# Altium PCB Farm_Pump.PcbDoc (continued)
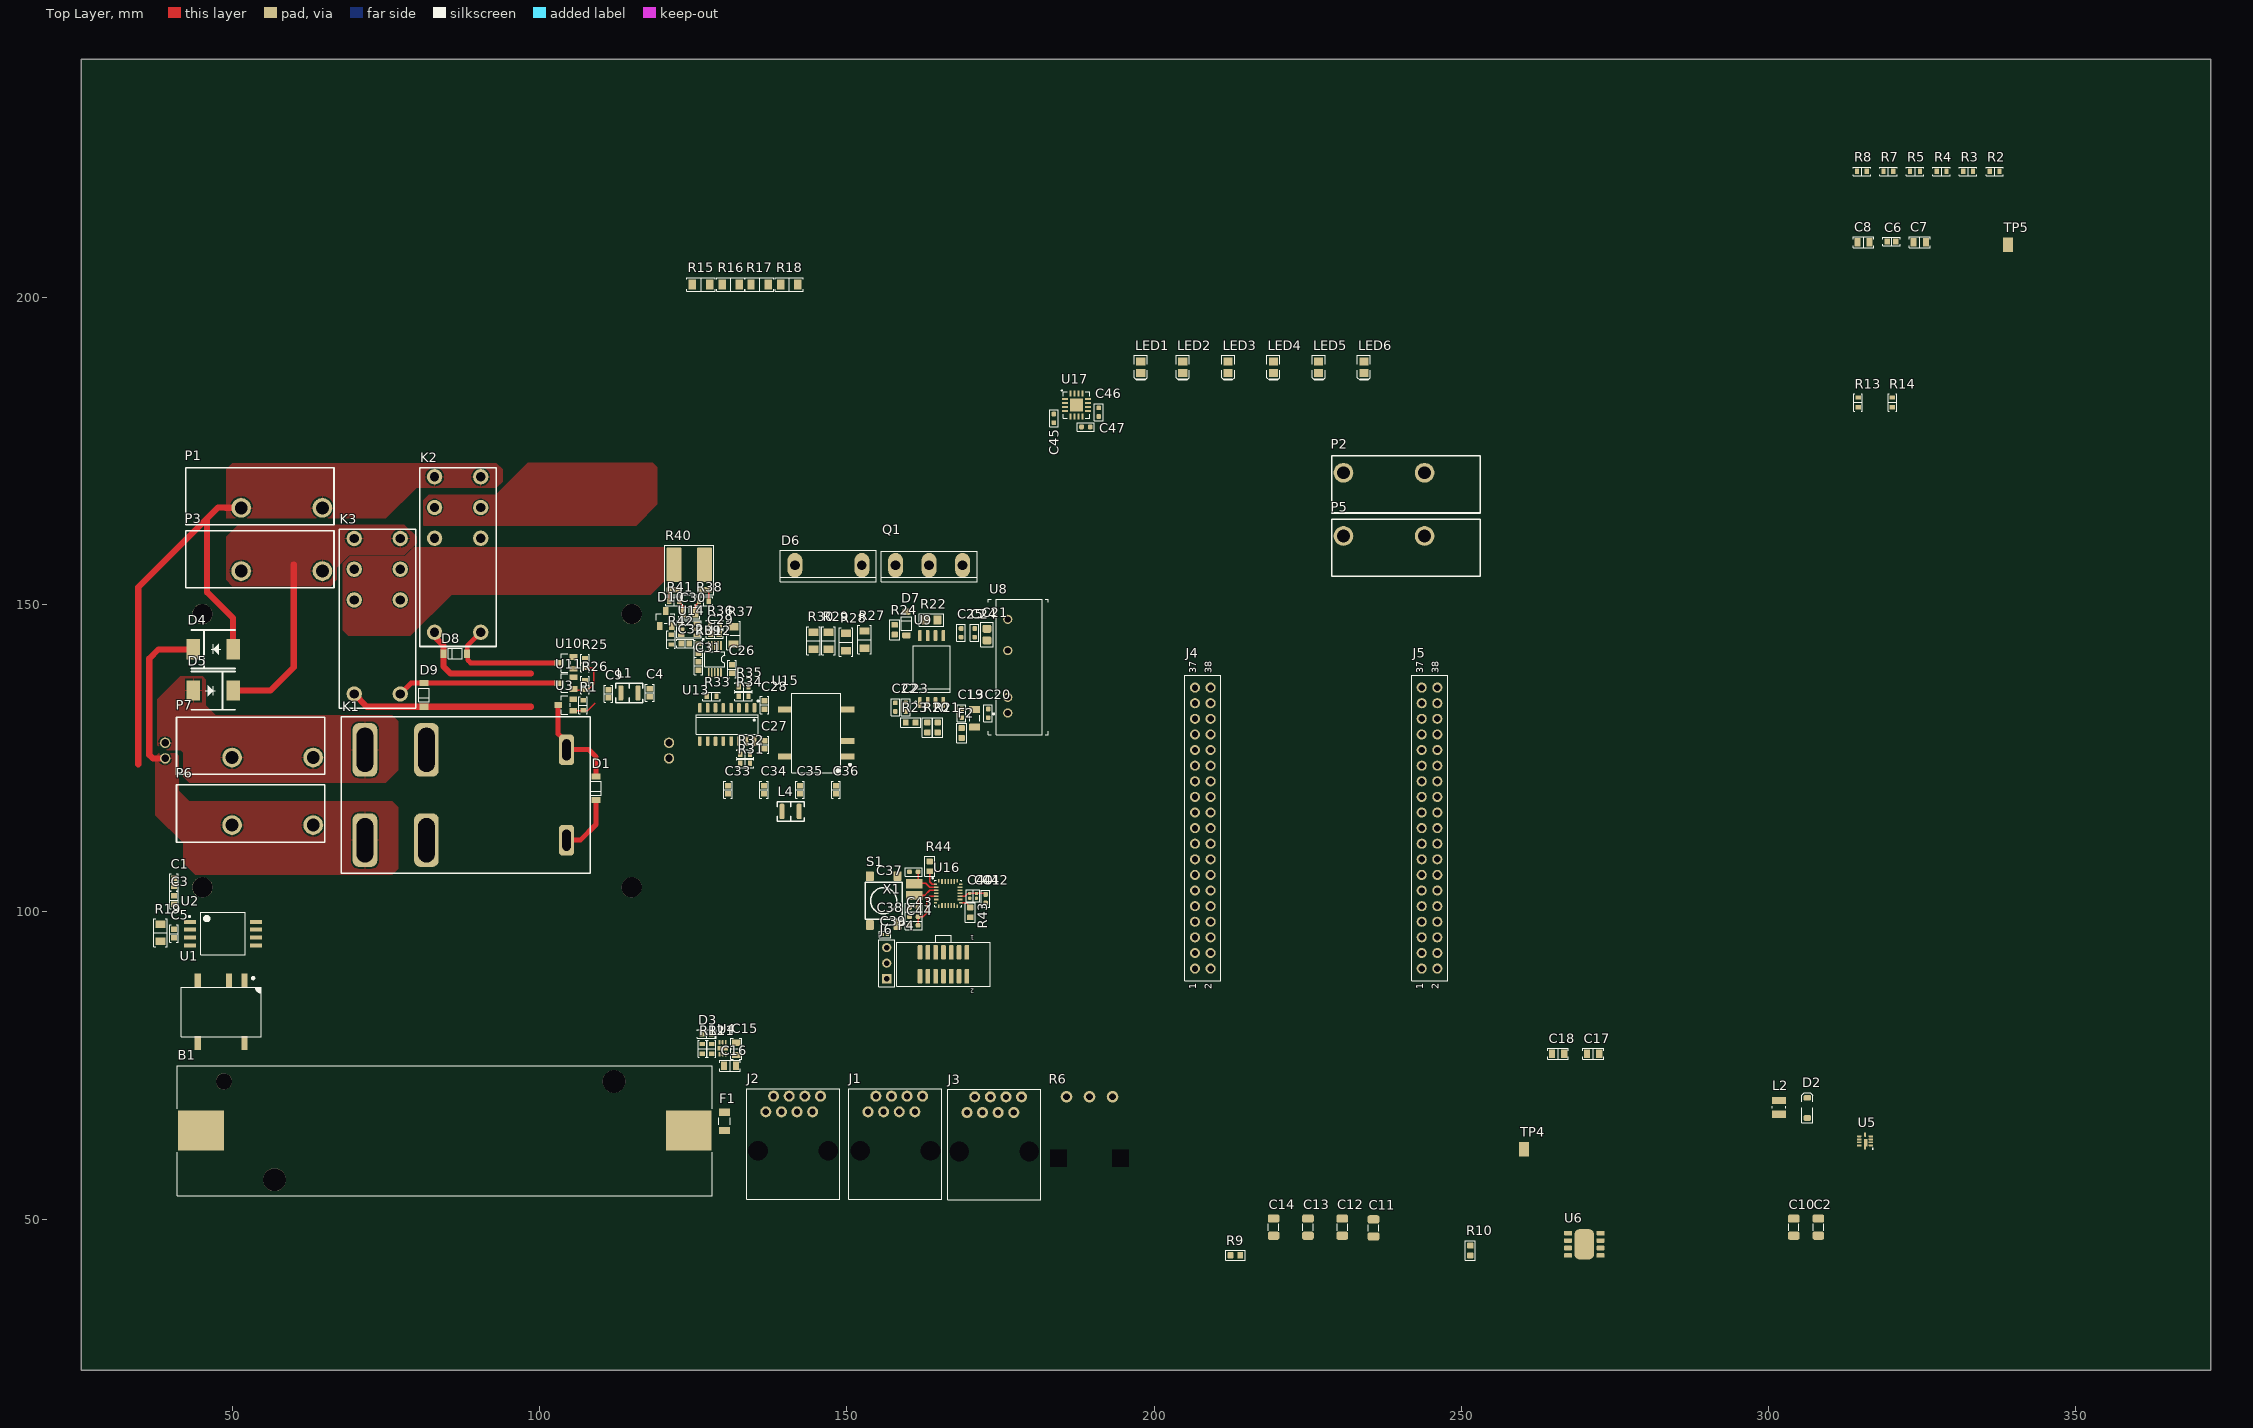
[diagram p0: Top Layer view]
## Components (designator, comment, footprint, x,y, rotation, side; value= is the part's Value field where it differs from the comment) (continued)
R21 "100 Ohms" 0603R 164.8,130 r90 top
R22 "4R7" 0805R 163.8,147.5 r270 top
R23 "1 kOhms" 0603R 160.4,130.8 r0 top
R24 "3K3" 0603R 157.8,145.9 r90 top
R25 "10K" "RES 0603/1608" 107.4,140.5 r270 top
R26 "10K" "RES 0603/1608" 107.4,136.9 r270 top
R27 "200K" "RES 1206/3216" 152.9,144.3 r90 top
R28 "200K" "RES 1206/3216" 149.9,143.9 r90 top
R29 "200K" "RES 1206/3216" 147.025,144.096 r270 top
R30 "200K" "RES 1206/3216" 144.612,144.096 r90 top
R31 "10K" "RES 0603/1608" 133.464,124.137 r0 top
R32 "10K" "RES 0603/1608" 133.464,125.661 r0 top
R33 "10K" "RES 0603/1608" 128.003,135.059 r180 top
R34 "10K" "RES 0603/1608" 133.21,135.059 r0 top
R35 "10K" "RES 0603/1608" 133.21,136.583 r0 top
R36 "20R" "RES 0603/1608" 128.537,146.743 r180 top
R37 "2K74" "RES 1206/3216" 131.585,144.965 r90 top
R38 "5R1" "RES 0603/1608" 126.759,150.526 r0 top
R39 "20R" "RES 0603/1608" 125.87,142.806 r270 top
R40 "WSL2726L5000FEB" WSL2726L5000FEB 124.346,155.606 r270 top
R41 "5R1" "RES 0603/1608" 121.933,150.526 r180 top
R42 "10K" "RES 0603/1608" 121.425,144.303 r270 top
R43 "10k" 0603R 170.1,99.9 r270 top
R44 "10k" 0603R 163.5,107.4 r270 top
S1 "SMT" PTS645SM43SMTR92 156,101.8 r0 top
TP4 "Test Point" RCT-0C 260.223,61.341 r90 top
TP5 "Test Point" RCT-0C 338.943,208.541 r90 top
U1 "ISE0505A" "XP ISE 8-SMD" 48.2,83.7 r270 top
U2 "ACPL-C87B" "Broadcom SSO-8" 48.497,96.452 r0 top
U3 "SZNUD3112LT1G" SZNUD3112LT1G 104.268,133.652 r90 top
U4 "SC810ULTRT" SC810ULTRT 129.8,77.8 r180 top
U5 "MCP1665T-E/MRA" MCP1665T-EMRA 315.7,62.687 r180 top
U6 "BD33HC0WEFJ-E2" BD33HC0WEFJ 270.002,45.893 r180 top
U7 "EPS-25-12" EPS-25-12 80.075,126.225 r0 bottom locked
U8 "TMV 1215EN" TMVXXXXEN 176.2,138.7 r90 top
U9 "UCC5310MCDWVR" UCC-SOIC-8W 163.8,139.5 r90 top
U10 "SZNUD3112LT1G" SZNUD3112LT1G 104.3,140.5 r90 top
U11 "SZNUD3112LT1G" SZNUD3112LT1G 104.3,137.2 r90 top
U12 "ADS1015IDGSR" ADS1015IDGSR 128.529,141.114 r270 top
U13 "SI8605AC-B-IS1R" SI8605AC-B-IS1R 130.543,130.487 r270 top
U14 "INA181A3QDBVRQ1" INA181A3QDBVRQ1 124.346,145.954 r180 top
U15 "ISE0505A" "XP ISE 8-SMD" 145.021,129.09 r180 top
U16 "STM32F038G6U6" STM32F038G6U6 166.5,103 r0 top
U17 "IC LED DRIVER RGLTR DIM 16TQFN" CAT3626HV4-GT2 187.364,182.461 r0 top
X1 "8MHz" OSC_2SM_3R2X1R5 161,103.6 r90 top

## Footprints (in the part's own frame and the unit in brackets; to place one, negate y for a bottom-side part, rotate by r counter-clockwise, add the part's x,y. Pads: shape width x height; smd on the part's side, far side on the other; paste and mask are expansions set on the pad)
0402c [mm] "Chip Capacitor, Body 1.0x0.5mm, Height 0.6mm, IPC High Density"
  rrect50% 0.52x0.52 smd: 1(-0.4,0) 2(0.4,0)
  silkscreen extent -0.95,-0.55 0.95,0.55, body extent -0.5,-0.26 0.5,0.27, height 0.36
0603C [mil]
  rrect50% 30x30 smd: 1(-27.56,0) 2(27.56,0)
  silkscreen extent -54,-28 55,28, body extent -31,-17 31,17, height 31
0603R [mm]
  rrect20% 0.95x1 smd: 1(-0.8,0) 2(0.8,0)
  silkscreen extent -1.6,-0.8 1.6,0.8, body extent -0.82,-0.42 0.82,0.43, height 0.46
0805c [mm]
  rrect50% 1.3x1.5 smd: 1(-0.95,0) 2(0.95,0)
  silkscreen extent -2,-1 2,1, body extent -1,-0.63 1,0.62, height 1.25
0805D [mm] "LED 0805 [Imperial]"
  rect 1.3x1.5 smd: 1(0.95,0) 2(-0.95,0)
  silkscreen extent -2.06,-1.05 1.95,1.05, body extent -1.02,-0.42 1.04,0.49, height 0.85
0805R [mm]
  rrect20% 1.5x1.3 smd: 1(0,0.95) 2(0,-0.95)
  silkscreen extent -1,-2 1,2, body extent -0.61,-1 0.64,1, height 0.5
1042 [mil] "18650+Holder"
  rect 294x255 smd paste+0 mask+0: 1(-1562.5,0) 2(1562.5,0)
  round 146 hole 146 unplated: 3(1091.5,315) 5(-1083.5,-315)
  round 104 hole 104 unplated: 4(1415.5,-315)
  silkscreen extent -1714,-417 1715,417
1206 [mm]
  rect 1.16x1.82 smd: 1(-1.475,0) 2(1.475,0)
  silkscreen extent -0.57,-0.9 0.57,0.9, body extent -1.7,-0.91 1.7,0.89, height 1.08
1206C [mm]
  rrect50% 1.9x1.35 smd: 1(0,1.39) 2(0,-1.39)
  silkscreen extent -0.85,-0.55 0.85,0.55, body extent -0.82,-1.67 0.83,1.68, height 1.05
1206R [mm]
  rrect20% 1.8x1.15 smd: 1(0,1.45) 2(0,-1.45)
  silkscreen extent -0.8,-0.5 0.8,0.5, body extent -0.8,-1.64 0.8,1.56, height 0.44
1210L [mm]
  rrect50% 0.8x2.5 smd: 1(-1.4,0) 2(1.4,0)
  silkscreen extent -2.2,-1.6 2.2,1.6, body extent -1.6,-1.25 1.6,1.25, height 1.2
1719189 [mm]
  round 3.2 hole 2.1: 1(1.9,10.175) 1(1.9,-3.025)
  silkscreen extent -4.65,-12.07 4.65,12.07, body extent -4.65,-12.07 4.65,12.08, height 19.6
2961309 [mm]
  round 2.5 hole 1.5: 11(8.41,-3.75) 11(8.41,3.75) 12(3.41,-3.75) 12(3.41,3.75) 14(13.41,-3.75) 14(13.41,3.75) A1(-11.89,3.75) A2(-11.89,-3.75)
  silkscreen extent -14.2,-6.3 14.9,6.2, body extent -14.2,-6.35 14.8,6.35, height 15.8
ADS1015IDGSR [mm] "VSSOP-10"
  rrect50% 1.45x0.297 smd: 1(-2.2,1) 2(-2.2,0.5) 3(-2.2,0) 4(-2.2,-0.5) 5(-2.2,-1) 6(2.2,-1) 7(2.2,-0.5) 8(2.2,0) 9(2.2,0.5) 10(2.2,1)
  silkscreen extent -1.2,-1.6 1.2,1.63, body extent -2.46,-1.5 2.46,1.5, height 1.1
AZSR250 [mm]
  rrect50% 2.5x5 hole 1.4 slot 3.4 at 90 deg: 1(-16.4,-7.35) 2(-16.4,7.35)
  rrect50% 4x8.7 hole 2.7 slot 7.2 at 90 deg: 3(6.4,-7.35) 4(6.4,7.35) 5(16.4,-7.35) 6(16.4,7.35)
  silkscreen extent -20.25,-12.75 20.25,12.75, body extent -20.12,-12.73 20.33,12.73, height 0.25
BD33HC0WEFJ [mm]
  rrect50% 1.35x0.75 smd: 1(-2.65,1.8) 2(-2.65,0.6) 3(-2.65,-0.6) 4(-2.65,-1.8) 5(2.625,-1.8) 6(2.625,-0.6) 7(2.625,0.6) 8(2.625,1.8)
  rrect50% 3.2x4.9 smd: 3(0,0)
  body extent -3.1,-2.5 3.1,2.5, height 1.95
"Broadcom SSO-8" [mm]
  rect 1.9x0.64 smd: 1(-5.37,1.905) 2(-5.37,0.635) 3(-5.37,-0.635) 4(-5.37,-1.905) 5(5.37,-1.905) 6(5.37,-0.635) 7(5.37,0.635) 8(5.37,1.905)
  silkscreen extent -5.57,-3.45 3.65,3.45, body extent -5.75,-2.92 5.75,2.92, height 3.65
"CAP 0603/1608" [mm] "Chip Capacitor, 2-Leads, Body 1.60x0.80mm, IPC Medium Density"
  rect 0.9x1 smd: 1(-0.675,0) 2(0.675,0)
  silkscreen extent -1.4,-0.7 1.4,0.7, body extent -0.8,-0.41 0.8,0.41, height 0.82
"CAP 0805/2012 - 1.4MM" [mm] "Chip Capacitor, 2-Leads, Body 2.00x1.20mm, IPC Medium Density"
  rect 1x1.4 smd: 1(-1,0) 2(1,0)
  silkscreen extent -1.7,-0.9 1.7,0.9, body extent -1.1,-0.72 1.1,0.73, height 1.4
CAT3626HV4-GT2 [mm]
  rect 0.96x0.306 smd paste+0 mask+0: 1(-1.864,0.975) 2(-1.864,0.325) 3(-1.864,-0.325) 4(-1.864,-0.975) 9(1.864,-0.975) 10(1.864,-0.325) 11(1.864,0.325) 12(1.864,0.975)
  rect 0.306x0.96 smd paste+0 mask+0: 5(-0.975,-1.864) 6(-0.325,-1.864) 7(0.325,-1.864) 8(0.975,-1.864) 13(0.975,1.864) 14(0.325,1.864) 15(-0.325,1.864) 16(-0.975,1.864)
  rect 2.134x2.134 smd paste+0 mask+0: 17(0,0)
  silkscreen extent -2.43,-2.13 2.13,2.43, body extent -2.04,-2.04 2.04,2.04, height 0.81
EPS-25-12 [mm]
  round 1.7 hole 1.2: 1(-41,-1.27) 2(-41,1.27) 3(41,1.27) 4(41,-1.27)
  round 3.3 hole 3.3: NC(-34.925,-22.225) NC(-34.925,22.225) NC(34.925,-22.225) NC(34.925,22.225)
  silkscreen extent -38.1,-25.4 38.1,25.4
FGY75T120SQDN [mm]
  oval 2.45x4 hole 1.6: C(0,0) E(5.45,0) G(-5.45,0)
  silkscreen extent -7.8,-2.3 7.8,2.7, body extent -8.07,-2.33 7.88,2.7, height 27
"HDR 1x3 2.54MM" [mm] "Header 1x3 2.54mm Straight"
  rect 1.5x1.5 hole 0.9: 1(-2.54,0)
  round 1.5 hole 0.9: 2(0,0) 3(2.54,0)
  silkscreen extent -3.81,-1.27 3.81,1.27
Header_14pin_JTAG [mm]
  rrect50% 0.76x2.4 smd: 1(-3.81,-1.95) 2(-3.81,1.95) 3(-2.54,-1.95) 4(-2.54,1.95) 5(-1.27,-1.95) 6(-1.27,1.95) 7(0,-1.95) 8(0,1.95) 9(1.27,-1.95) 10(1.27,1.95) 11(2.54,-1.95) 12(2.54,1.95) 13(3.81,-1.95) 14(3.81,1.95)
  silkscreen extent -7.6,-4.7 7.6,3.6, body extent -7.6,-2.76 7.64,2.74, height 5.24
INA181A3QDBVRQ1 [mm]
  rrect25% 1.1x0.6 smd: 1(-1.3,0.95) 2(-1.3,0) 3(-1.3,-0.95) 4(1.3,-0.95) 5(1.3,0) 6(1.3,0.95)
  silkscreen extent -2.4,-1.4 2,1.7, body extent -1.42,-1.46 1.42,1.46, height 1.1
INDC2520X100N [mm]
  rect 1.2x2.22 smd: 1(-1.11,0) 2(1.11,0)
  silkscreen extent -0.19,-1.1 0.19,1.1, body extent -1.25,-1 1.25,1, height 1
"LED 0603/1608 RED" [mm] "Chip Diode, 2-Leads, Body 1.60x0.80mm, IPC Medium Density"
  rect 0.8x0.8 smd: 1(-0.75,0) 2(0.75,0)
  silkscreen extent -1.52,-0.7 1.52,0.7, body extent -0.8,-0.4 0.8,0.4, height 0.53
MCP1665T-EMRA [mm]
  rrect37% 0.7x0.3 smd paste-1: 1(-0.95,0.7) 4(-0.95,-0.775) 6(0.95,-0.775) 9(0.95,0.7)
  rrect37% 0.7x0.3 smd: 2(-0.95,0.2) 3(-0.95,-0.275) 7(0.95,-0.275) 8(0.95,0.2)
  rrect37% 0.3x0.7 smd paste-2: 5(0,-1.05) 10(0,1.05)
  rrect37% 0.53x1.25 smd paste-2: 10(-0.115,0.262)
  silkscreen extent -1.37,1.17 -1.17,1.37
MTJ-885X1 [mm]
  round 1.8 hole 1: 1(-4.445,6.35) 2(-3.175,8.89) 3(-1.905,6.35) 4(-0.635,8.89) 5(0.635,6.35) 6(1.905,8.89) 7(3.175,6.35) 8(4.445,8.89)
  round 1.524 hole 3.2: NC(-5.715,0) NC(5.715,0)
  silkscreen extent -7.57,-7.88 7.57,10.12
OSC_2SM_3R2X1R5 [mm] "Crystal 8M Hz 3.2x2.5mm SMD"
  rect 1.5x2.7 smd: 1(-0.95,0) 2(0.95,0)
  body extent -1.6,-1.25 1.6,1.25, height 1
PDB12-H4301-103BF [mm]
  round 1.9 hole 1.1: 1(-3.75,-5) 2(0,-5) 3(3.75,-5)
  rect 2.5x2.7 hole 2.7 square: NC(-5.05,5) NC(5.05,5)
PTS645SM43SMTR92 [mm]
  rrect20% 1.3x1.55 smd: 1(2.25,4) 2(2.25,-3.95) 3(-2.25,4) 4(-2.25,-3.95)
  silkscreen extent -3,-3 3,3, body extent -3,-4.47 3,4.53, height 4.3
RCT-0C [mm]
  rect 2.4x1.6 smd: 1(0,0)
  body extent -1,-0.62 1,0.65, height 1.45
"RES 0603/1608" [mm] "Chip Resistor, 2-Leads, Body 1.60x0.80mm, IPC Medium Density"
  rect 0.7x0.9 smd: 1(-0.8,0) 2(0.8,0)
  silkscreen extent -1.4,-0.7 1.4,0.7, body extent -0.8,-0.4 0.8,0.4, height 0.45
"RES 1206/3216" [mm] "Chip Resistor, 2-Leads, Body 3.13x1.55mm, IPC Medium Density"
  rect 1.2x1.65 smd: 1(-1.4,0) 2(1.4,0)
  silkscreen extent -2.3,-1.1 2.3,1.1, body extent -1.57,-0.8 1.62,0.8, height 0.6
SC810ULTRT [mm] "SC810ULTRT"
  rrect75% 0.3x0.75 smd: 1(-0.5,-0.975) 2(0,-0.975) 3(0.5,-0.975) 4(0.5,0.975) 5(0,0.975) 6(-0.5,0.975)
  rrect25% 1.7x0.8 smd: NC(0,0)
  body extent -0.8,-1.05 0.8,1.05, height 0.61
SI8605AC-B-IS1R [mm] "SOIC-16 Narrow (4mm width)"
  rrect50% 1.55x0.6 smd: 1(-2.7,4.445) 2(-2.7,3.175) 3(-2.7,1.905) 4(-2.7,0.635) 5(-2.7,-0.635) 6(-2.7,-1.905) 7(-2.7,-3.175) 8(-2.7,-4.445) 9(2.7,-4.445) 10(2.7,-3.175) 11(2.7,-1.905) 12(2.7,-0.635) 13(2.7,0.635) 14(2.7,1.905) 15(2.7,3.175) 16(2.7,4.445)
  silkscreen extent -3.9,-5.04 1.6,5.1, body extent -3.04,-5 3.04,5, height 1.65
"SMC DO-214AB" [mm]
  rect 2.2x3.3 smd: A(-3.225,0) K(3.225,0)
  silkscreen extent -3.57,-3.12 3.57,3.12, body extent -4.11,-3.08 4.02,3.03, height 2.4
SOD123 [mm]
  rrect50% 0.91x1.22 smd: 1(-1.628,0.013) 2(1.642,0.013)
  silkscreen extent -2.47,-0.89 2.42,0.91, body extent -1.45,-0.89 1.45,0.91, height 1
SOD-123H#1 [mm] "SOD-123H SMD Diode Wide"
  rect 1x1.4 smd: A(1.925,0) K(-1.925,0)
  silkscreen extent -1.12,-0.85 1.11,0.85, body extent -1.95,-0.9 1.95,0.9, height 1.18
SOD-123H#2 [mm] "SOD-123H SMD Diode Wide"
  rrect50% 1x1.4 smd: A(1.925,0) K(-1.925,0)
  silkscreen extent -1.12,-0.85 1.11,0.85, body extent -1.95,-0.9 1.95,0.9, height 1.18
SSW-119-01-F-D [mm]
  round 1.64 hole 1.04: 1(-22.86,1.27) 2(-22.86,-1.27) 3(-20.32,1.27) 4(-20.32,-1.27) 5(-17.78,1.27) 6(-17.78,-1.27) 7(-15.24,1.27) 8(-15.24,-1.27) 9(-12.7,1.27) 10(-12.7,-1.27) 11(-10.16,1.27) 12(-10.16,-1.27) 13(-7.62,1.27) 14(-7.62,-1.27) 15(-5.08,1.27) 16(-5.08,-1.27) 17(-2.54,1.27) 18(-2.54,-1.27) 19(0,1.27) 20(0,-1.27) 21(2.54,1.27) 22(2.54,-1.27) 23(5.08,1.27) 24(5.08,-1.27) 25(7.62,1.27) 26(7.62,-1.27) 27(10.16,1.27) 28(10.16,-1.27) 29(12.7,1.27) 30(12.7,-1.27) 31(15.24,1.27) 32(15.24,-1.27) 33(17.78,1.27) 34(17.78,-1.27) 35(20.32,1.27) 36(20.32,-1.27) 37(22.86,1.27) 38(22.86,-1.27)
  silkscreen extent -24.83,-2.93 24.83,2.93, body extent -24.38,-2.48 24.38,2.48, height 8.51
STM32F038G6U6 [mm]
  rect 0.554x0.255 smd paste+0 mask+0: 1(-2.068,1.5) 7(-2.068,-1.5) 15(2.068,-1.5) 21(2.068,1.5)
  rect 0.808x0.255 smd paste+0 mask+0: 2(-1.941,1) 3(-1.941,0.5) 4(-1.941,0) 5(-1.941,-0.5) 6(-1.941,-1) 16(1.941,-1) 17(1.941,-0.5) 18(1.941,0) 19(1.941,0.5) 20(1.941,1)
  rect 0.255x0.554 smd paste+0 mask+0: 8(-1.5,-2.068) 14(1.5,-2.068) 22(1.5,2.068) 28(-1.5,2.068)
  rect 0.255x0.808 smd paste+0 mask+0: 9(-1,-1.941) 10(-0.5,-1.941) 11(0,-1.941) 12(0.5,-1.941) 13(1,-1.941) 23(1,1.941) 24(0.5,1.941) 25(0,1.941) 26(-0.5,1.941) 27(-1,1.941)
  silkscreen extent -2.6,-2.17 2.17,2.55, body extent -2.04,-2.04 2.04,2.04, height 0.61
SZNUD3112LT1G [mil] "NUD SOT 23-3"
  rect 36x50 smd: 1(-37.5,-48.5) 2(37.5,-48.5) 3(0,48.5)
  silkscreen extent -59,-30 59,30, body extent -59,-49 59,49, height 41
TMVXXXXEN [mm] "TRACO DC-DC SIP Reinforced TMV"
  round 1.5 hole 1: 1(-6.35,0) 2(-3.81,0) 5(3.81,0) 7(8.89,0)
  silkscreen extent -9.85,-6.6 12.15,3.2, body extent -9.85,-5.57 12.15,1.88, height 12.5
UCC-SOIC-8W [mm] "SOIC-8 Wide (7.6mm width)"
  rrect50% 1.8x0.6 smd: 1(-5.45,1.905) 2(-5.45,0.635) 3(-5.45,-0.635) 4(-5.45,-1.905) 5(5.45,-1.905) 6(5.45,-0.635) 7(5.45,0.635) 8(5.45,1.905)
  silkscreen extent -5.5,-3 3.8,3, body extent -5.15,-2.92 5.16,2.93, height 2.65
VS-90EPS12L-M3 [mm]
  oval 2.45x4 hole 1.6: A(5.45,0) K(-5.45,0)
  silkscreen extent -7.8,-2.41 7.8,2.7, body extent -7.62,-1.93 7.62,2.67, height 26.33
WSL2726L5000FEB [mm] "2726 4 Pin Current Sense Resistor"
  rrect20% 5.6x2.44 smd: 1(-0.899,-2.48) 2(-0.899,2.48)
  rrect20% 0.89x2.44 smd: 3(3.236,-2.48) 4(3.236,2.48)
  silkscreen extent -4,-4 4,4, body extent -3.05,-3.45 3.55,3.45, height 3.01
"XP ISE 8-SMD" [mm]
  rect 2.286x1 smd: 1(-5.08,3.81) 2(-5.08,1.27) 4(-5.08,-3.81) 5(5.08,-3.81) 8(5.08,3.81)
  silkscreen extent -5.6,-6.5 4,6.5, body extent -5.01,-6.35 5.01,6.35, height 7.49
ZR285F02TA [mil] "NUD SOT 23-3"
  rect 36x50 smd: A(-37.5,-48.5) K(37.5,-48.5) NC(0,48.5)
  silkscreen extent -59,-30 59,30, body extent -59,-49 59,49, height 41

## Part data
B1: library part 1042, "18650 Cell and Holder 3-4.2V"
C1 C4 C33 C35: library part GCM188R71H104KA57D, "CAP CER 0.1UF 50V X7R 0603", Digi-Key Part Number=490-4779-1-ND, Manufacturer="Murata Electronics North America", Package Imperial=0603, Package Metric=1608, Voltage - Rated=50V, Part Number=GCM188R71H104KA57D
C2 C10 C11 C12 C13 C14: library part 1000-0124, "CAP CER 10UF 16V X7R 1206", Manufacturer="Walsin Technology Corporation", Manufacturer Part Number=1206B106K160CT, x_max_temp=125°C, x_min_temp=-55°C, x_temp_coef=X7R, x_Tolerance=±10%, created_on="26/10/2021 11:23:13 AM", id=442554, inventory_price=1, partnumber=1000-0124, parttype="Ceramic Capacitors", rohs=1, updated_on="26/10/2021 11:23:26 AM", x_Capacitance=10µF, x_Link_Description=Datasheet, x_Link_URL=http://www.passivecomponent.com/wp-content/uploads/2018/10/MLCC.pdf, x_Vol=16V
C3 C34: library part CL10B105KA8NNNC, "CAP CER 1UF 25V X7R 0603", Dielectric=X7R, Digi-Key Part Number=1276-1184-1-ND, Manufacturer="Samsung Electro-Mechanics", Package Imperial=0603, Package Metric=1608, Tolerance=0.1, Voltage - Rated=25V, Part Number=CL10B105KA8NNNC
C5: library part C0603C101J5GACTU, "CAP CER 100PF 50V C0G/NP0 0603", Dielectric=C0G/NP0, Digi-Key Part Number=399-1061-1-ND, Manufacturer=KEMET, Package Imperial=0603, Package Metric=1608, Tolerance=0.05, Voltage - Rated=50V, Part Number=C0603C101J5GACTU
C6: library part GCM188R72A103KA37D, "CAP CER 10000PF 100V X7R 0603", Digi-Key Part Number=490-4781-1-ND, Manufacturer="Murata Electronics North America", Package Imperial=0603, Package Metric=1608, Voltage - Rated=100V, Part Number=GCM188R72A103KA37D
C7 C8: library part GCM21BR72A104KA37L, "CAP CER 0.1UF 100V X7R 0805", Dielectric=X7R, Digi-Key Part Number=490-4789-1-ND, Manufacturer="Murata Electronics North America", Package Imperial=0805, Package Metric=2012, Tolerance=0.1, Voltage - Rated=100V, Part Number=GCM21BR72A104KA37L
C9 C36: library part GRM188C81E475KE11D, "CAP CER 4.7UF 25V X6S 0603", Dielectric=X6S, Digi-Key Part Number=490-7199-1-ND, Manufacturer="Murata Electronics North America", Package Imperial=0603, Package Metric=1608, Tolerance=0.1, Voltage - Rated=25V, Part Number=GRM188C81E475KE11D
C15 C16: library part EMK212B7225KG-T, "CAP CER 2.2UF 16V X7R 0805", Dielectric=X7R, Digi-Key Part Number=587-1431-1-ND, Manufacturer="Taiyo Yuden", Package Imperial=0805, Package Metric=2012, Tolerance=0.1, Voltage - Rated=16V, Part Number=EMK212B7225KG-T
C17 C18: library part TMK212B7105KG-T, "CAP CER 1UF 25V X7R 0805", Dielectric=X7R, Digi-Key Part Number=587-1281-1-ND, Manufacturer="Taiyo Yuden", Package Imperial=0805, Package Metric=2012, Tolerance=0.1, Voltage - Rated=25V, Part Number=TMK212B7105KG-T
C19 C20: library part 1000-0107, "CAP CER 10UF 16V X6S 0603", Manufacturer="Murata Electronics", Manufacturer Part Number=GRM188C81C106MA73D, x_max_temp=105°C, x_min_temp=-55°C, x_temp_coef=X6S, x_Tolerance=±20%, created_on="9/04/2021 11:45:26 AM", id=427111, inventory_price=0.1975, partnumber=1000-0107, parttype="Ceramic Capacitors", rohs=1, updated_on="24/08/2021 12:09:56 PM", x_Capacitance=10µF, x_Link_Description=Datasheet, x_Link_URL=https://www.murata.com/-/media/webrenewal/support/library/catalog/products/capacitor/ceramiccapacitor/c02e.ashx?la=en-us&cvid=20210120024548000000, x_Vol=16V
C21: library part 1000-0047, "CAP CER 2.2UF 25V X5R 0805", Manufacturer="Samsung Electro-Mechanics", Manufacturer Part Number=CL21A225KAFNNNG, x_Capacitance=2.2µF, x_max_temp=85°C, x_min_temp=-55°C, x_Tolerance=±10%, created_on="31/03/2020 1:35:31 PM", id=377963, inventory_price=0.0384, partnumber=1000-0047, parttype="Ceramic Capacitors", rohs=1, updated_on="24/08/2021 12:09:55 PM", x_Link_Description=Datasheet, x_Link_URL=https://www.samsungsem.com/error500.html
C22 C25: library part 1000-0003, "CAP CER 0.1UF 25V X7R 0603", Manufacturer="Samsung Electro-Mechanics", Manufacturer Part Number=CL10B104KA8NNNC, x_Capacitance=0.1µF, x_max_temp=125°C, x_min_temp=-55°C, x_Tolerance=±10%, created_on="4/03/2020 6:56:10 PM", id=376112, inventory_price=0.01001, partnumber=1000-0003, parttype="Ceramic Capacitors", rohs=-1, updated_on="7/09/2021 12:26:49 PM", x_Link_Description=Datasheet, x_Link_URL=http://www.samsungsem.com/kr/support/product-search/mlcc/CL10B104KA8NNNC.jsp
C23 C24 C44: library part 1000-0094, "CAP CER 1UF 25V X5R 0603", Manufacturer=Yageo, Manufacturer Part Number=CC0603KRX5R8BB105, x_max_temp=85°C, x_min_temp=-55°C, x_temp_coef=X5R, x_Tolerance=±10%, created_on="8/04/2021 12:21:35 PM", id=427010, inventory_price=0.03236, partnumber=1000-0094, parttype="Ceramic Capacitors", rohs=1, updated_on="24/08/2021 12:09:56 PM", x_Capacitance=1µF, x_Link_Description=Datasheet, x_Link_URL=https://www.yageo.com/upload/media/product/productsearch/datasheet/mlcc/UPY-GPHC_X5R_4V-to-50V_26.pdf, x_Vol=25V
C26 C27 C28 C29 C31 C32: library part GRM188R71C104KA01D, "CAP CER 0.1UF 16V X7R 0603", Dielectric=X7R, Digi-Key Part Number=490-1532-6-ND, Manufacturer="Murata Electronics North America", Package Imperial=0603, Package Metric=1608, Tolerance=0.1, Voltage - Rated=16V, Part Number=GRM188R71C104KA01D
C30: library part C0805C475K9RACTU, "CAP CER 4.7UF 6.3V X7R 0805", Dielectric=X7R, Digi-Key Part Number=399-7417-1-ND, Manufacturer=KEMET, Package Imperial=0805, Package Metric=2012, Tolerance=0.1, Voltage - Rated=6.3V, Part Number=C0805C475K9RACTU
C37 C38: library part 1000-0050, "CAP CER 4.3PF 50V NPO 0603", Manufacturer=Yageo, Manufacturer Part Number=CC0603CRNPO9BN4R3, x_max_temp=125°C, x_min_temp=-55°C, x_Tolerance=±0.25pF, created_on="31/03/2020 1:35:31 PM", id=377966, inventory_price=0.02062, partnumber=1000-0050, parttype="Ceramic Capacitors", rohs=1, updated_on="24/08/2021 12:09:55 PM", x_Capacitance=4.3pF, x_Link_Description=Datasheet, x_Link_URL=https://www.yageo.com/upload/media/product/productsearch/datasheet/mlcc/UPY-GP_NP0_16V-to-50V_18.pdf
C39 C40 C41: library part 1000-0015, "CAP CER 0.1UF 16V X7R 0402", Manufacturer="TDK Corporation", Manufacturer Part Number=C1005X7R1C104K050BC, x_Capacitance=0.1µF, x_max_temp=125°C, x_min_temp=-55°C, x_Tolerance=±10%, created_on="8/04/2019 9:50:39 AM", id=310046, inventory_price=0.0202, partnumber=1000-0015, parttype="Ceramic Capacitors", rohs=1, updated_on="24/08/2021 12:09:53 PM", x_Link_Description=Datasheet, x_Link_URL=https://product.tdk.com/info/en/catalog/datasheets/mlcc_commercial_general_en.pdf?ref_disty=digikey
C42: library part 1000-0095, "CAP CER 4.7UF 16V X5R 0603", Manufacturer="TDK Corporation", Manufacturer Part Number=C1608X5R1C475K080AC, x_max_temp=85°C, x_min_temp=-55°C, x_temp_coef=X5R, x_Tolerance=±10%, created_on="8/04/2021 12:25:47 PM", id=427012, inventory_price=0.1659, partnumber=1000-0095, parttype="Ceramic Capacitors", rohs=1, updated_on="10/08/2021 1:17:22 PM", x_Capacitance=4.7µF, x_Link_Description=Datasheet, x_Link_URL=https://product.tdk.com/info/en/catalog/datasheets/mlcc_commercial_general_en.pdf?ref_disty=digikey, x_Vol=16V
C43: library part 1000-0001, "CAP CER 10000PF 50V X7R 0603", Manufacturer="Walsin Technology Corporation", Manufacturer Part Number=0603B103K500CT, x_Capacitance="10000 pF", x_current="Not Applicable", x_max_temp=125°C, x_min_temp=-55°C, x_temp_coef=X7R, x_Tolerance=±10%, created_on="4/03/2020 6:31:45 PM", id=376107, inventory_price=0.1, partnumber=1000-0001, parttype="Ceramic Capacitors", rohs=1, updated_on="9/02/2022 10:33:24 AM", x_inductance="Not Applicable", x_Link_Description=Datasheet, x_Link_URL=https://www.vishay.com/docs/28548/vjw1bcbascomseries.pdf, x_port_to_unleashed=No, x_Power="Not Applicable", x_resistance="Not Applicable", x_Vol=50V
C45 C46 C47: library part 1000-0007, "CAP CER 1UF 25V X5R 0603", Manufacturer="Samsung Electro-Mechanics", Manufacturer Part Number=CL10A105KA8NNNC, x_Capacitance=1µF, x_max_temp=85°C, x_min_temp=-55°C, x_Tolerance=±10%, created_on="4/03/2020 7:09:07 PM", id=376116, inventory_price=0.01253, partnumber=1000-0007, parttype="Ceramic Capacitors", rohs=-1, updated_on="23/08/2021 6:14:35 PM", x_Link_Description=Datasheet, x_Link_URL=http://www.samsungsem.com/kr/support/product-search/mlcc/CL10A105KA8NNNC.jsp
D1 D8 D9: "Zener Diode", Manufacturer="Littelfuse Inc.", Maximun Temperature=150, Minimum Temperature=-55, Voltage=16V, inventory_price=0.36, Manufacturer Part Number=SMF16A, partnumber=SMF16A, parttype="TVS - Diodes", URL Datasheet=https://www.littelfuse.com/~/media/electronics/datasheets/tvs_diodes/littelfuse_tvs_diode_smf_datasheet.pdf.pdf
D2: library part 1047-0008, "DIODE SCHOTTKY 30V 2A SOD123W", Current=A, Manufacturer="Nexperia USA Inc.", Supplier Part Number 1=CUS10S30H3FTR-ND, Voltage=V, ComponentLink1Description=Datasheet, ComponentLink1URL=https://toshiba.semicon-storage.com/info/docget.jsp?did=14077&prodName=CUS10S30, created_on="19/05/2021 12:32:57 PM", id=429535, inventory_price=0.2867, Manufacturer Part Number=PMEG3020ER,115, Mount=SMT, partnumber=1047-0008, parttype="Diodes - Rectifiers - Single", rohs=1, Supplier 1=Digi-Key, updated_on="18/10/2021 4:50:09 PM", x_Link_Description=Datasheet, x_Link_URL=https://assets.nexperia.com/documents/data-sheet/PMEG3020ER.pdf
D3: library part LTST-C190KRKT, "Red 631nm LED Indication - Discrete 2V 0603 (1608 Metric)", Digi-Key Part Number=160-1436-1-ND, Manufacturer="Lite-On Inc.", Part Number=LTST-C190KRKT
D4 D5: library part 1047-0014, "DIODE GEN PURP 400V 3A SMC", Current=A, Manufacturer="Diodes Incorporated", Supplier Part Number 1=CUS10S30H3FTR-ND, Voltage=V, x_Capacitance="Not Applicable", x_max_temp=N/A, ComponentLink1Description=Datasheet, ComponentLink1URL=https://toshiba.semicon-storage.com/info/docget.jsp?did=14077&prodName=CUS10S30, created_on="21/02/2022 8:49:25 PM", id=459057, inventory_price=0.4, Manufacturer Part Number=S3G-13-F, Mount=SMT, partnumber=1047-0014, parttype="Diodes - Rectifiers - Single", rohs=1, Supplier 1=Digi-Key, updated_on="21/02/2022 9:00:39 PM", x_current="Not Applicable", x_inductance="Not Applicable", x_Link_Description=Datasheet, x_Link_URL=https://www.diodes.com/assets/Datasheets/ds16005.pdf, x_min_temp=N/A, x_port_to_unleashed=No, x_Power="Not Applicable", x_resistance="Not Applicable", x_temp_coef="Not Applicable", x_Tolerance="Not Applicable", x_Vol="Not Applicable"
D6: library part 1047-0002, "INPUT DIODES - TO-247-E3", Current=A, Manufacturer="Vishay Semiconductor Diodes Division", Supplier Part Number 1=CUS10S30H3FTR-ND, Voltage=V, x_Capacitance="Not Applicable", x_max_temp=N/A, ComponentLink1Description=Datasheet, ComponentLink1URL=https://toshiba.semicon-storage.com/info/docget.jsp?did=14077&prodName=CUS10S30, created_on="31/03/2020 3:13:33 PM", id=378005, inventory_price=3.94, Manufacturer Part Number=VS-90EPS12L-M3, Mount=SMT, partnumber=1047-0002, parttype="Diodes - Rectifiers - Single", rohs=1, Supplier 1=Digi-Key, updated_on="30/04/2022 2:06:05 PM", x_current="Not Applicable", x_inductance="Not Applicable", x_Link_Description=Datasheet, x_Link_URL=https://www.vishay.com/docs/93396/vs-90epsl-m3.pdf, x_min_temp=N/A, x_port_to_unleashed=No, x_Power="Not Applicable", x_resistance="Not Applicable", x_temp_coef="Not Applicable", x_Tolerance="Not Applicable", x_Vol="Not Applicable"